# Altium PCB QTouch_test1.PcbDoc (part 2 of 2)
Units mm, origin at the board's own origin, x right, y up, seen from the top; angles counter-clockwise.
Board outline 145 x 145 mm, 2 copper layers (Top Layer, Bottom Layer), stack 1.635 mm thick; 121 components, 116 nets, 369 pads, 181 vias.
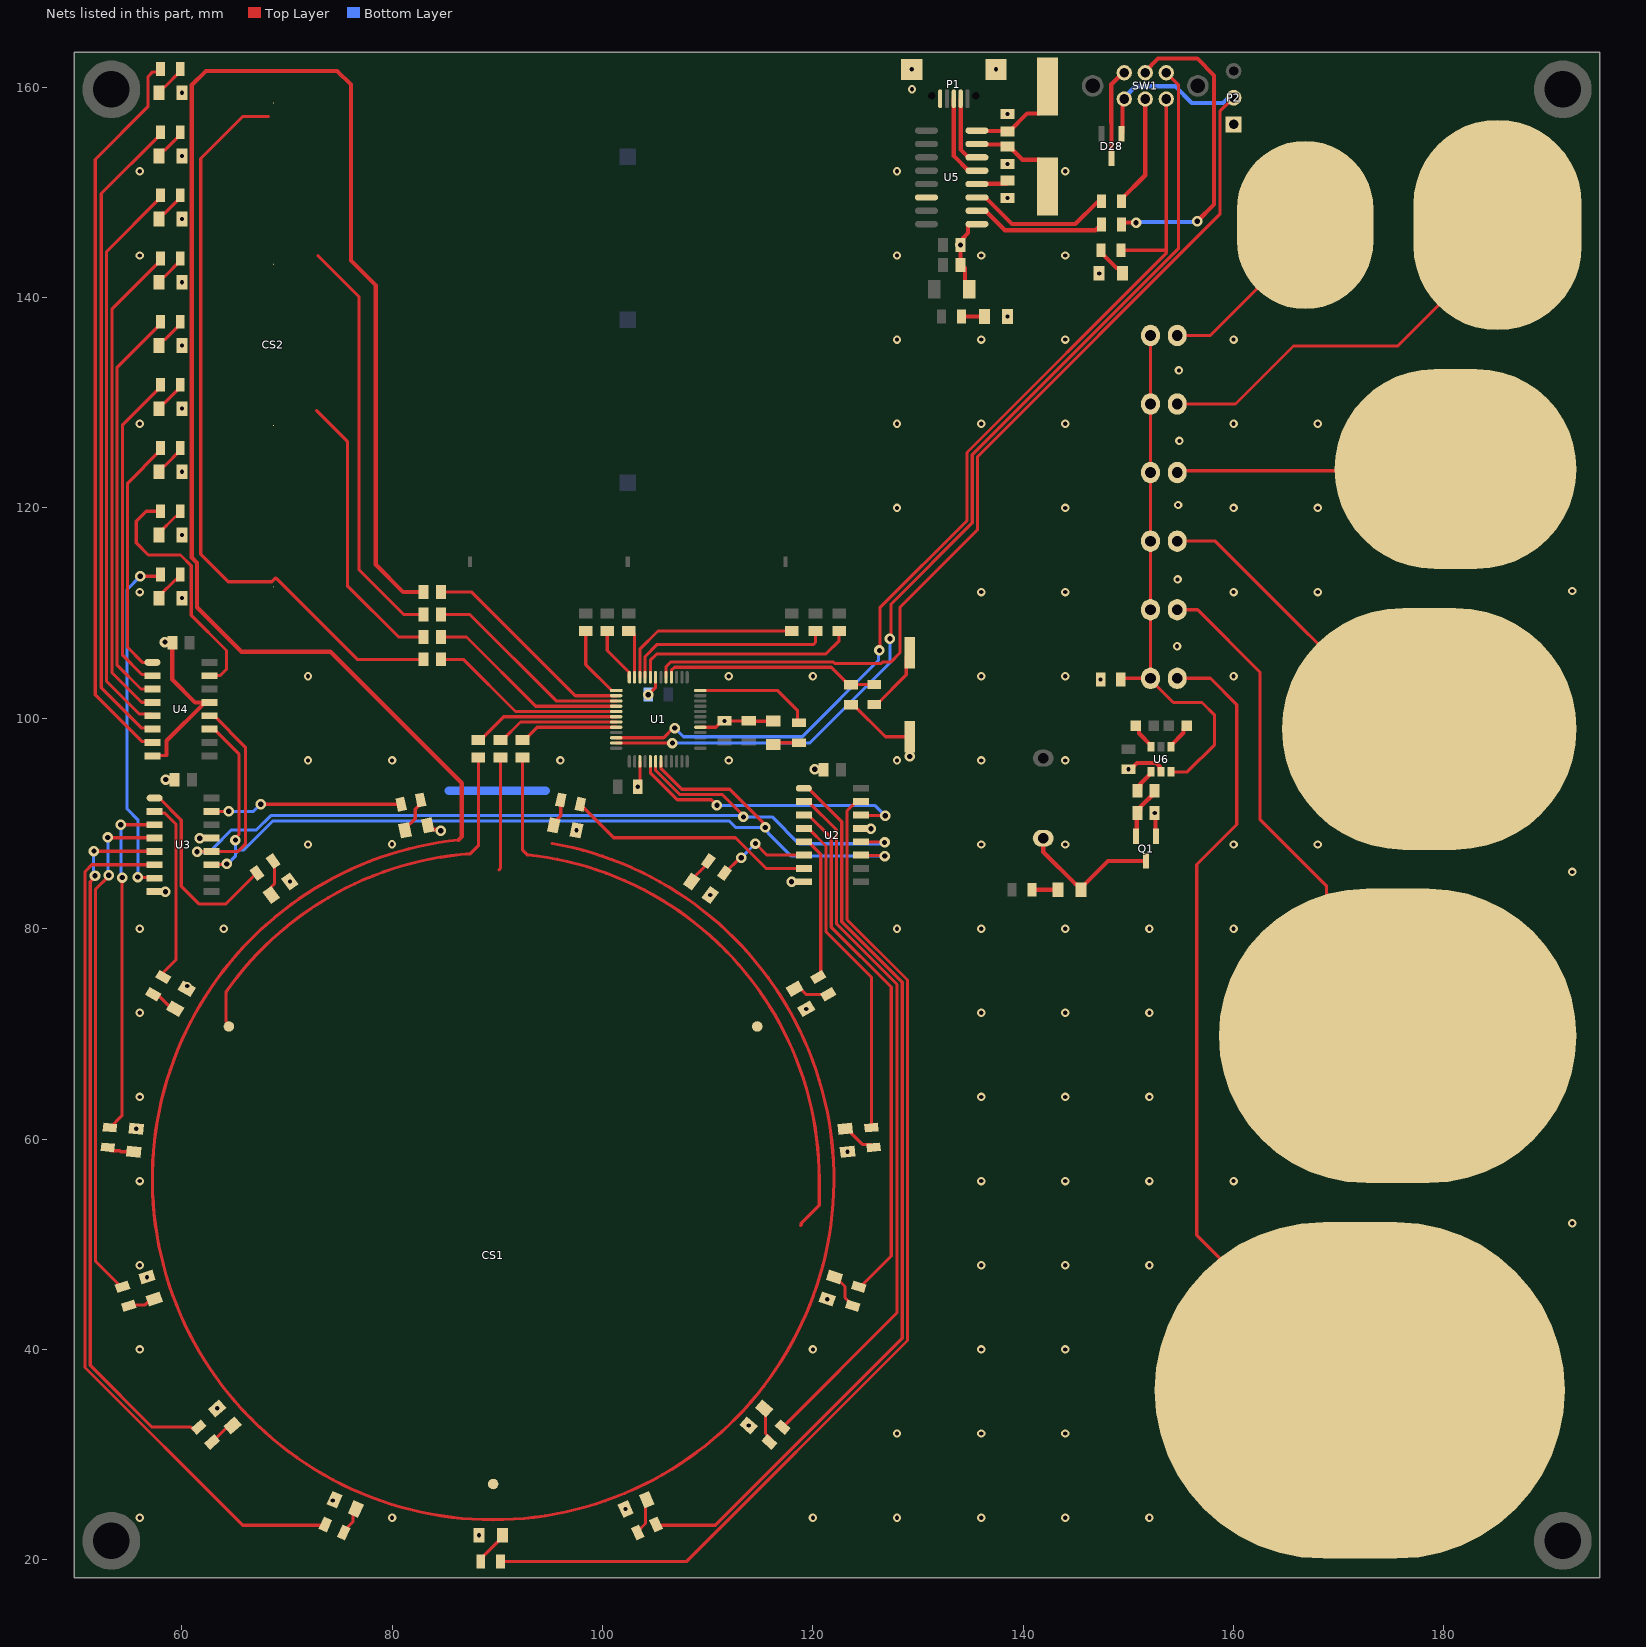
[diagram p2: the nets of this part, all layers, seen from the top]

## Via types
v1: diameter 0.8, hole 0.4, Top Layer to Bottom Layer, tented both sides, 127 vias
v2: diameter 1, hole 0.5, Top Layer to Bottom Layer, tented both sides, 54 vias

## Nets (pads, with @x,y where several pads share a name; then routed paths per layer and width w, separated by ;. In a path a pad name is that pad's centre, name@x,y a point inside that pad or via, vN(x,y) a via of type N, cw(c..) or ccw(c..) an arc to the next point about the centre after c; other vN are vias at no path point) (continued)
GND: C1.1 C2.1 C3.1 C4.1 C5.1 C6.1 C7.1 C8.1 C9.1 C10.1 C11.1 C12.1 C13.1 C14.1 C15.1 D1.2 D2.2 D3.2 D4.2 D5.2 D6.2 D7.2 D8.2 D9.2 D10.2 D11.2 D12.2 D13.2 D14.2 D15.2 D16.2 D17.2 D18.2 D19.2 D20.2 D21.2 D22.2 D23.2 D24.2 D25.1 D26.2 D27.2 D29.2 P1.5 P1.H@131.3,159.2 P2.1 PB1.1 Q1.3 R46.2 U1.15 U1.29 U1.43 U2.8 U2.13 U3.8 U3.13 U4.8 U4.13 U5.1 U6.2 | length 66.7
  Top Layer w0.3: U4.8@57.213,96.43 57.248,96.465 58.515,96.465 58.55,96.5 ; U3.8@57.413,83.53 57.428,83.515 58.435,83.515 v2(58.45,83.5) ; v2(58.4,107.25) 59.046,107.25 C4.1@59.1,107.196 ; v2(58.475,94.175) 59.294,94.175 C3.1@59.3,94.169 ; v2(61.7,88.607) 61.701,88.609 62.836,88.609 U3.13@62.837,88.61 ; v1(103.35,93.5) 103.55,93.7 U1.15@103.55,95.9 ; v2(104.35,102.25) 105.05,102.95 U1.43@105.05,103.9 ; U1.29@109.3,99.15 110.775,99.15 111.375,99.75 v1(111.6,99.75) C10.1@113.9,99.75 113.925,99.725 D29.2@116.225,99.725 ; v2(117.975,84.45) 117.978,84.453 119.136,84.453 U2.8@119.138,84.455 ; v2(120.175,95.15) 120.998,95.15 C5.1@121.025,95.123 ; C9.1@123.625,101.3 123.85,101.3 126.9,98.25 PB1.1@129.225,98.25 129.2,98.225 v2(129.2,96.375) ; U2.13@124.562,89.535 124.58,89.517 125.507,89.517 v2(125.525,89.5)
  Top Layer w0.4: 58.55,96.5 58.55,97.86 U4.13@62.2,101.51 ; C4.1@59.1,107.196 59.1,103.685 61.275,101.51 U4.13@62.2,101.51 ; U4.13@62.637,101.51 U4.13@62.2,101.51 ; D9.2@83.379,89.813 83.777,89.415 84.51,89.415 v2(84.625,89.3) ; v2(134.025,145) 134.025,143.225 134.45,142.8 134.45,141.2 D25.1@134.85,140.8 ; 134.3,145.68 134.762,146.142 134.762,146.888 134.854,146.98 U5.1@135.6,146.98 ; v1(150,95.15) 150.225,95.15 150.825,95.75 152.641,95.75 152.975,95.416 152.975,95.025 U6.2@153.1,94.9 ; v1(152.5,91) 152.562,90.937 152.562,88.837 Q1.3@152.625,88.775
  Bottom Layer w0.8: 85.366,93.1 94.607,93.1
  other v1: 88.272,22.327 56,24 80,24 120,24 128,24 136,24 144,24 152,24 102.196,24.819 74.35,25.625 128,32 136,32 144,32 113.903,32.759 63.369,34.394 56,40 120,40 136,40 144,40 121.368,44.774 56.696,46.867 56,48 136,48 144,48 152,48 192.2,52 56,56 136,56 144,56 152,56 160,56 123.301,58.787 55.673,60.975 56,64 136,64 144,64 152,64 56,72 136,72 144,72 152,72 119.367,72.374 60.525,74.55 56,80 64,80 128,80 136,80 144,80 152,80 160,80 110.247,83.187 70.277,84.48 192.2,85.4 72,88 136,88 144,88 160,88 168,88 79.991,88.031 97.517,89.355 72,96 80,96 96,96 112,96 128,96 136,96 144,96 147.35,103.7 72,104 112,104 120,104 136,104 144,104 160,104 154.625,106.85 60.022,111.423 56,112 136,112 144,112 160,112 168,112 192.2,112.1 154.675,113.2 60.022,117.429 128,120 144,120 160,120 168,120 154.725,120.275 60.022,123.435 154.85,126.375 56,128 128,128 136,128 144,128 160,128 168,128 60.022,129.441 154.8,133.075 60.022,135.447 128,136 136,136 144,136 160,136 138.5,138.193 60.022,141.453 147.225,142.3 56,144 128,144 136,144 144,144 60.022,147.459 138.5,149.475 56,152 128,152 144,152 138.5,152.7 60.022,153.465 138.5,157.45 60.022,159.471 129.425,159.8 129.4,161.7 137.4,161.7
LED1: R5.1 U1.36 | length 11.2
  Top Layer w0.3: U1.36@109.3,102.65 116.625,102.65 118.551,100.724 118.551,99.699 R5.1@118.675,99.575
LEDs_DATA: U1.17 U2.14 | length 27.4
  Top Layer w0.3: U1.17@104.55,95.9 104.55,94.829 107.123,92.255 110.345,92.255 v2(110.875,91.725) ; U2.14@124.562,90.805 124.602,90.765 126.835,90.765 v2(126.875,90.725)
  Bottom Layer w0.3: v2(110.875,91.725) 125.875,91.725 v2(126.875,90.725)
LEDs_RCLK: U1.18 U2.12 U3.12 U4.12 | length 100.2
  Top Layer w0.3: v2(61.45,87.3) 61.47,87.32 62.817,87.32 U3.12@62.837,87.34 64.397,87.34 64.407,87.35 65.368,87.35 66.05,88.031 66.05,97.265 63.075,100.24 U4.12@62.637,100.24 ; U1.18@105.05,95.9 105.05,95.036 107.33,92.755 111.388,92.755 113.4,90.744 v2(113.4,90.625) ; U2.12@124.562,88.265 124.595,88.232 126.786,88.232 v2(126.819,88.2)
  Bottom Layer w0.3: v2(61.45,87.3) 62.8,87.301 63.025,87.526 63.025,87.694 64.706,89.375 67.094,89.375 68.469,90.75 113.275,90.75 v2(113.4,90.625) 116.125,90.625 118.675,88.075 126.694,88.075 v2(126.819,88.2)
LEDs_SCLK: U1.19 U2.11 U3.11 U4.11 | length 96.2
  Top Layer w0.3: U4.11@62.637,98.97 63.075,98.97 65.425,96.62 65.425,88.939 65.1,88.614 v2(65.1,88.425) ; U3.11@62.837,86.07 62.877,86.11 64.235,86.11 v2(64.275,86.15) ; U1.19@105.55,95.9 105.55,95.243 107.538,93.255 112.113,93.255 115.237,90.131 115.237,90.052 115.475,89.814 v2(115.475,89.625) ; U2.11@124.562,86.995 124.61,86.947 126.78,86.947 v2(126.827,86.9)
  Bottom Layer w0.3: v2(64.275,86.15) 64.362,86.15 65.1,86.888 65.1,87.1 ; v2(65.1,88.425) 65.1,87.1 ; v2(126.827,86.9) 117.955,86.9 115.724,89.131 115.724,89.186 115.475,89.436 v2(115.475,89.625) 112.65,89.625 112.025,90.25 68.676,90.25 65.901,87.475 65.475,87.475 65.1,87.1
NetC7_2: C7.2 U5.7 Y1.1 | length 9.4
  Top Layer w0.4: U5.7@135.6,154.6 135.638,154.562 138.288,154.562 C7.2@138.5,154.35 138.675,154.35 139.925,153.1 141.5,153.1 142.3,152.3 Y1.1@142.3,150.55
NetC8_2: C8.2 U5.8 Y1.2 | length 9.5
  Top Layer w0.4: U5.8@135.6,155.87 135.635,155.835 138.465,155.835 C8.2@138.5,155.8 138.675,155.8 140.375,157.5 141.5,157.5 142.3,158.3 Y1.2@142.3,160.05
NetC15_2: C15.2 JP1.2 JP2.2 JP3.2 JP4.2 JP5.2 JP6.2 U6.3 | length 51.1
  Top Layer w0.3: C15.2@149.25,103.7 149.35,103.8 JP6.2@152.1,103.8 ; JP1.2@152.1,136.4 JP2.2@152.1,129.88 JP3.2@152.1,123.36 JP4.2@152.1,116.84 JP5.2@152.1,110.32 JP6.2@152.1,103.8 ; U6.3@154.05,94.9 155.6,94.9 158.2,97.5 158.2,100.3 157,101.5 154.273,101.5 152.1,103.673 JP6.2@152.1,103.8
NetD1_1: D1.1 R17.1 | length 3.3
  Top Layer w0.3: R17.1@88.422,19.827 88.697,20.102 88.697,20.377 90.472,22.152 D1.1@90.472,22.327
NetD2_1: D2.1 R19.1 | length 3.5
  Top Layer w0.3: R19.1@103.35,22.596 103.35,22.71 104.083,23.443 104.083,25.591 D2.1@104.206,25.714
NetD3_1: D3.1 R21.1 | length 3.4
  Top Layer w0.3: D3.1@115.375,34.394 115.492,34.277 115.492,32.003 115.861,31.634 R21.1@115.861,31.198
NetD4_1: D4.1 R23.1 | length 3.5
  Top Layer w0.3: D4.1@122.048,46.867 122.16,46.867 123.05,45.977 123.05,44.917 123.792,44.175 R23.1@123.792,44.144
NetD5_1: D5.1 R25.1 | length 3.4
  Top Layer w0.3: D5.1@123.071,60.975 123.227,60.975 124.711,59.49 125.479,59.49 R25.1@125.771,59.197
NetD6_1: D6.1 R27.1 | length 3.4
  Top Layer w0.3: D6.1@118.267,74.28 118.826,74.28 119.351,73.754 120.813,73.754 120.832,73.735 121.438,73.735 R27.1@121.457,73.754
NetD7_1: D7.1 R29.1 | length 2.6
  Top Layer w0.3: D7.1@108.467,84.48 108.467,84.646 110.058,86.237 R29.1@110.058,86.414
NetD8_1: D8.1 R31.1 | length 2.7
  Top Layer w0.3: D8.1@95.365,89.813 95.365,90.078 96.032,90.744 R31.1@96.032,92.227
NetD9_1: D9.1 R18.1 | length 3.5
  Top Layer w0.3: D9.1@81.227,89.355 81.227,89.49 82.2,90.463 82.2,91.359 82.713,91.871 R18.1@82.713,92.227
NetD10_1: D10.1 R20.1 | length 3.5
  Top Layer w0.3: D10.1@68.497,83.187 68.449,83.236 68.449,83.912 68.819,84.282 68.819,86.282 R20.1@68.686,86.414
NetD11_1: D11.1 R22.1 | length 2.7
  Top Layer w0.3: R22.1@57.287,73.754 57.651,73.754 59.031,72.374 D11.1@59.377,72.374
NetD12_1: D12.1 R24.1 | length 2.6
  Top Layer w0.3: R24.1@52.973,59.197 53.283,58.887 54.114,58.887 54.213,58.787 D12.1@55.443,58.787
NetD13_1: D13.1 R26.1 | length 2.7
  Top Layer w0.3: R26.1@54.952,44.144 55.022,44.214 56.467,44.214 57.027,44.774 D13.1@57.376,44.774
NetD14_1: D14.1 R28.1 | length 2.6
  Top Layer w0.3: R28.1@62.883,31.198 62.9,31.198 64.461,32.759 D14.1@64.841,32.759
NetD15_1: D15.1 R30.1 | length 2.7
  Top Layer w0.3: R30.1@75.394,22.596 75.394,22.71 76.273,23.589 76.273,24.544 D15.1@76.548,24.819
NetD16_1: D16.1 R32.1 | length 3.2
  Top Layer w0.3: D16.1@57.821,111.423 57.821,111.598 59.402,113.179 59.581,113.179 59.856,113.454 R32.1@59.856,113.679
NetD17_1: D17.1 R33.1 | length 3.2
  Top Layer w0.3: D17.1@57.821,117.429 57.821,117.604 59.402,119.185 59.581,119.185 59.856,119.46 R33.1@59.856,119.685
NetD18_1: D18.1 R34.1 | length 3.2
  Top Layer w0.3: D18.1@57.821,123.435 57.821,123.61 58.197,123.985 58.376,123.985 59.856,125.466 R34.1@59.856,125.691
NetD19_1: D19.1 R35.1 | length 3.2
  Top Layer w0.3: D19.1@57.821,129.441 57.821,129.616 58.197,129.991 58.376,129.991 59.856,131.472 R35.1@59.856,131.697
NetD20_1: D20.1 R36.1 | length 3.2
  Top Layer w0.3: D20.1@57.821,135.447 57.821,135.622 58.197,135.997 58.376,135.997 59.856,137.478 R36.1@59.856,137.703
NetD21_1: D21.1 R37.1 | length 3.2
  Top Layer w0.3: D21.1@57.821,141.453 57.821,141.628 58.197,142.003 58.376,142.003 59.856,143.484 R37.1@59.856,143.709
NetD22_1: D22.1 R38.1 | length 3.2
  Top Layer w0.3: D22.1@57.821,147.459 57.821,147.634 58.197,148.009 58.376,148.009 59.856,149.49 R38.1@59.856,149.715
NetD23_1: D23.1 R39.1 | length 3.2
  Top Layer w0.3: D23.1@57.821,153.465 57.821,153.64 58.197,154.015 58.376,154.015 59.856,155.496 R39.1@59.856,155.721
NetD24_1: D24.1 R40.1 | length 3.2
  Top Layer w0.3: D24.1@57.821,159.471 57.821,159.646 58.197,160.021 58.376,160.021 59.856,161.502 R40.1@59.856,161.727
NetD26_1: D26.1 R1.2 | length 2.2
  Top Layer w0.4: R1.2@134.15,138.2 136.293,138.2 D26.1@136.3,138.193
NetD27_1: D27.1 R2.2 | length 3.2
  Top Layer w0.4: R2.2@147.4,144.5 147.4,144.275 148.875,142.8 149.1,142.8 149.425,142.475 D27.1@149.425,142.3
NetD28_3: D28.3 SW1.4 | length 8.8
  Top Layer w0.4: D28.3@148.4,153.225 148.4,156.617 148.376,156.64 148.376,160.276 SW1.4@149.6,161.5
NetD29_1: D29.1 R5.2 | length 2.5
  Top Layer w0.3: D29.1@116.225,97.525 116.375,97.675 R5.2@118.675,97.675
NetD30_1: D30.1 R44.2 | length 2.5
  Top Layer w0.4: R44.2@140.85,83.707 143.293,83.707 D30.1@143.3,83.7
NetD30_2: D30.2 Q1.1 SP1.2 | length 13.7
  Top Layer w0.4: SP1.2@141.9,88.59 141.9,87.3 145,84.2 145.175,84.2 D30.2@145.5,83.875 ; D30.2@145.5,83.7 D30.2@145.5,83.875 ; Q1.1@151.675,86.425 148.05,86.425 D30.2@145.5,83.875
NetJP1_1: JP1.1 PAD1.1 | length 17.4
  Top Layer w0.3: JP1.1@154.64,136.4 157.8,136.4 166.8,145.4 PAD1.1@166.8,146.9
NetJP2_1: JP2.1 PAD2.1 | length 38.7
  Top Layer w0.3: JP2.1@154.64,129.88 160.18,129.88 165.7,135.4 175.6,135.4 185.1,144.9 PAD2.1@185.1,146.9
NetJP3_1: JP3.1 PAD3.1 | length 26.6
  Top Layer w0.3: JP3.1@154.64,123.36 154.81,123.53 180.93,123.53 PAD3.1@181.1,123.7
NetJP4_1: JP4.1 PAD4.1 | length 31.3
  Top Layer w0.3: JP4.1@154.64,116.84 158.26,116.84 176.1,99 PAD4.1@178.6,99
NetJP5_1: JP5.1 PAD5.1 | length 50.3
  Top Layer w0.3: JP5.1@154.64,110.32 156.58,110.32 162.5,104.4 162.5,90.4 168.826,84.074 168.826,76.574 PAD5.1@175.6,69.8
NetJP6_1: JP6.1 PAD6.1 | length 80.3
  Top Layer w0.3: JP6.1@154.64,103.8 157.8,103.8 160.3,101.3 160.3,89.9 156.5,86.1 156.5,50.864 171.264,36.1 PAD6.1@172,36.1
NetPB1_2: PB1.2 R3.2 | length 6.5
  Top Layer w0.3: R3.2@125.825,101.3 126.05,101.3 128.875,104.125 128.875,105.9 PB1.2@129.225,106.25
NetQ1_2: Q1.2 R45.2 R46.1 | length 5.1
  Top Layer w0.4: Q1.2@150.725,88.775 150.787,88.837 150.787,90.937 R46.1@150.85,91 151.125,91.275 151.125,91.55 152.5,92.925 R45.2@152.5,93.1
NetR4_1: R4.1 SW1.2 | length 10.8
  Top Layer w0.4: R4.1@149.35,149.15 149.35,149.375 151.6,151.625 SW1.2@151.6,159
NetR6_1: R6.1 SW1.5 | length 29.6
  Top Layer w0.4: R6.1@149.35,146.95 149.525,147.125 v2(150.725,147.125) ; SW1.5@151.6,161.5 152.823,162.723 156.552,162.723 158.15,161.125 158.15,148.85 v2(156.55,147.25)
  Bottom Layer w0.4: v2(150.725,147.125) 150.787,147.187 156.487,147.187 v2(156.55,147.25)
NetR7_2: R7.2 U1.7 | length 11.7
  Top Layer w0.3: R7.2@90.3,97.925 90.475,97.925 92.2,99.65 U1.7@101.3,99.65
NetR8_2: R8.2 U1.5 | length 18.7
  Top Layer w0.3: R8.2@84.625,105.6 86.775,105.6 91.725,100.65 U1.5@101.3,100.65
NetR9_2: R9.2 U1.6 | length 14
  Top Layer w0.3: R9.2@88.2,97.925 88.375,97.925 90.6,100.15 U1.6@101.3,100.15
NetR10_2: R10.2 U1.3 | length 20.1
  Top Layer w0.3: R10.2@84.625,109.867 87.383,109.867 95.6,101.65 U1.3@101.3,101.65
NetR11_2: R11.2 U1.8 | length 9.4
  Top Layer w0.3: R11.2@92.4,97.925 92.575,97.925 93.8,99.15 U1.8@101.3,99.15
NetR12_2: R12.2 U1.4 | length 19.4
  Top Layer w0.3: R12.2@84.625,107.733 87.067,107.733 93.65,101.15 U1.4@101.3,101.15
NetR13_2: R13.2 U1.46 | length 17.8
  Top Layer w0.3: U1.46@103.55,103.9 103.55,106.575 105.275,108.3 R13.2@118,108.3
NetR14_2: R14.2 U1.45 | length 19.8
  Top Layer w0.3: U1.45@104.05,103.9 104.05,105.875 105.2,107.025 120.074,107.025 120.25,107.201 R14.2@120.25,108.3
NetR15_2: R15.2 U1.44 | length 21.3
  Top Layer w0.3: U1.44@104.55,103.9 104.55,105.501 105.156,106.108 121.233,106.108 122.5,107.375 R15.2@122.5,108.3
NetR16_2: R16.2 U1.1 | length 7.1
  Top Layer w0.3: R16.2@98.4,108.3 98.4,105.1 100.85,102.65 U1.1@101.3,102.65
NetR17_2: R17.2 U2.15 | length 101.8
  Top Layer w0.3: R17.2@90.322,19.827 107.977,19.827 129,40.85 129,75.114 123.25,80.864 123.25,91.2 124.125,92.075 U2.15@124.562,92.075
NetR18_2: R18.2 U3.15 | length 18.3
  Top Layer w0.3: U3.15@62.837,91.15 v2(64.475,91.15) ; v2(67.5,91.832) R18.2@80.854,91.832
  Bottom Layer w0.3: v2(64.475,91.15) 66.818,91.15 v2(67.5,91.832)
NetR19_2: R19.2 U2.1 | length 87.2
  Top Layer w0.3: R19.2@105.086,23.369 105.177,23.277 110.72,23.277 128.5,41.057 128.5,74.907 122.75,80.657 122.75,90.171 119.576,93.345 U2.1@119.138,93.345
NetR20_2: R20.2 U3.1 | length 18.8
  Top Layer w0.3: U3.1@57.413,92.42 57.85,92.42 59.95,90.32 59.95,84.025 61.625,82.35 64.202,82.35 R20.2@67.149,85.298
NetR21_2: R21.2 U2.2 | length 67.9
  Top Layer w0.3: R21.2@117.133,32.61 128,43.477 128,74.7 122.25,80.45 122.25,89.4 119.576,92.075 U2.2@119.138,92.075
NetR22_2: R22.2 U3.2 | length 17.6
  Top Layer w0.3: U3.2@57.413,91.15 57.569,90.994 58.381,90.994 59.45,89.925 59.45,77.043 58.237,75.83 R22.2@58.237,75.4
NetR23_2: R23.2 U2.3 | length 49.9
  Top Layer w0.3: U2.3@119.138,90.805 119.576,90.805 121.75,88.63 121.75,80.15 127.45,74.45 127.45,48.878 124.524,45.951 R23.2@124.379,45.951
NetR24_2: R24.2 U3.3 | length 32.5
  Top Layer w0.3: R24.2@53.171,61.087 54.332,62.248 v2(54.332,84.856) ; v2(54.2,89.875) 54.203,89.877 57.41,89.877 U3.3@57.413,89.88
  Bottom Layer w0.3: v2(54.2,89.875) 54.231,89.844 54.231,84.957 v2(54.332,84.856)
NetR25_2: R25.2 U2.4 | length 31.4
  Top Layer w0.3: U2.4@119.138,89.535 119.576,89.535 121.25,87.86 121.25,79.7 125.573,75.377 R25.2@125.573,61.087
NetR26_2: R26.2 U3.4 | length 48.9
  Top Layer w0.3: v2(52.95,88.675) 52.983,88.642 57.38,88.642 U3.4@57.413,88.61 ; v2(53.05,85.07) 53.05,84.988 51.8,83.738 51.8,48.372 54.22,45.951 R26.2@54.365,45.951
  Bottom Layer w0.3: v2(52.95,88.675) 53,88.625 53,85.12 v2(53.05,85.07)
NetR27_2: R27.2 U2.5 | length 13.9
  Top Layer w0.3: U2.5@119.138,88.265 119.576,88.265 120.75,87.09 120.75,75.643 R27.2@120.507,75.4
NetR28_2: R28.2 U3.5 | length 67.8
  Top Layer w0.3: v2(51.65,87.375) 51.668,87.357 57.395,87.357 U3.5@57.413,87.34 ; v2(51.75,85.031) 51.75,84.911 51.3,84.461 51.3,38.482 57.172,32.61 60.874,32.61 61.025,32.459 61.461,32.459 R28.2@61.612,32.61
  Bottom Layer w0.3: v2(51.65,87.375) 51.616,87.341 51.616,85.165 v2(51.75,85.031)
NetR29_2: R29.2 U2.6 | length 9.2
  Top Layer w0.3: R29.2@111.595,85.298 111.646,85.298 113.099,86.75 v2(113.2,86.75) ; v2(114.544,88.094) 115.642,86.995 U2.6@119.138,86.995
  Bottom Layer w0.3: v2(113.2,86.75) v2(114.544,88.094)
NetR30_2: R30.2 U3.6 | length 83.1
  Top Layer w0.3: U3.6@57.413,86.07 51.445,86.07 50.8,85.425 50.8,38.275 65.798,23.277 73.567,23.277 R30.2@73.658,23.369
NetR31_2: R31.2 U2.7 | length 23.8
  Top Layer w0.3: R31.2@97.89,91.832 101.072,88.65 112.644,88.65 115.569,85.725 U2.7@119.138,85.725
NetR32_2: R32.2 U3.7 | length 33.2
  Top Layer w0.3: v2(55.825,84.9) 55.875,84.85 57.363,84.85 U3.7@57.413,84.8 ; v2(56.05,113.5) 57.778,113.5 R32.2@57.957,113.679
  Bottom Layer w0.3: v2(55.825,84.9) 55.825,90.35 54.8,91.375 54.8,112.25 v2(56.05,113.5)
NetR33_2: R33.2 U4.15 | length 24
  Top Layer w0.3: R33.2@57.957,119.685 56.615,119.685 55.675,118.745 55.675,116.675 56.825,115.525 59.875,115.525 60.896,114.503 60.896,109.803 64.25,106.45 64.25,104.65 63.674,104.074 62.661,104.074 U4.15@62.637,104.05
NetR34_2: R34.2 U4.1 | length 23.2
  Top Layer w0.3: U4.1@57.213,105.32 56.255,105.32 54.85,106.725 54.85,122.359 57.957,125.466 R34.2@57.957,125.691
NetR35_2: R35.2 U4.2 | length 30.8
  Top Layer w0.3: U4.2@57.213,104.05 57.095,104.168 56.207,104.168 54.35,106.025 54.35,127.865 57.957,131.472 R35.2@57.957,131.697
NetR36_2: R36.2 U4.3 | length 38.7
  Top Layer w0.3: U4.3@57.213,102.78 56.12,102.78 53.85,105.05 53.85,133.371 57.957,137.478 R36.2@57.957,137.703
NetR37_2: R37.2 U4.4 | length 46.3
  Top Layer w0.3: U4.4@57.213,101.51 57.199,101.524 56.176,101.524 53.35,104.35 53.35,138.877 57.957,143.484 R37.2@57.957,143.709
NetR38_2: R38.2 U4.5 | length 54
  Top Layer w0.3: U4.5@57.213,100.24 57.038,100.415 55.935,100.415 52.85,103.5 52.85,144.383 57.957,149.49 R38.2@57.957,149.715
NetR39_2: R39.2 U4.6 | length 61.6
  Top Layer w0.3: U4.6@57.213,98.97 57.118,99.065 56.185,99.065 52.35,102.9 52.35,149.889 57.957,155.496 R39.2@57.957,155.721
NetR40_2: R40.2 U4.7 | length 69.6
  Top Layer w0.3: U4.7@57.213,97.7 57.108,97.805 56.195,97.805 51.775,102.225 51.775,153.125 56.775,158.125 56.775,160.975 57.257,161.457 57.687,161.457 R40.2@57.957,161.727
NetR41_2: R41.2 U1.48 | length 5.3
  Top Layer w0.3: R41.2@100.45,108.3 100.45,106.45 102.55,104.35 U1.48@102.55,103.9
NetR42_2: R42.2 U1.47 | length 4.7
  Top Layer w0.3: R42.2@102.5,108.3 102.675,108.3 103.05,107.925 U1.47@103.05,103.9
NetR43_1: R43.1 U1.2 | length 20.8
  Top Layer w0.3: R43.1@84.625,112 87.575,112 97.425,102.15 U1.2@101.3,102.15
NetU6_4: U6.4 W2.1 | length 2.6
  Top Layer w0.4: U6.4@154.05,97.3 154.05,97.425 155.25,98.625 155.25,99 W2.1@155.55,99.3
NetU6_6: U6.6 W1.2 | length 2.6
  Top Layer w0.4: W1.2@150.7,99.3 151,99 151,98.575 152.15,97.425 U6.6@152.15,97.3
RST: C9.2 R3.1 U1.40 | length 20.7
  Top Layer w0.3: U1.40@106.55,103.9 106.55,104.557 106.843,104.85 121.75,104.85 123.4,103.2 C9.2@123.625,103.2 R3.1@125.825,103.2
RTS: U5.14
RXD: R4.2 U5.3 | length 13.8
  Top Layer w0.4: U5.3@135.6,149.52 136.4,149.52 138.92,147 144.95,147 147,149.05 147.225,149.05 R4.2@147.45,149.275
RXD1: SW1.6 U1.11 | length 97.2
  Top Layer w0.3: U1.11@101.3,97.65 106.4,97.65 v2(106.65,97.65) ; v2(127.325,107.55) 127.425,107.65 127.425,110.849 135.15,118.574 135.15,125.068 154.774,144.691 154.774,160.202 SW1.6@153.6,161.375
  Bottom Layer w0.3: v2(106.65,97.65) 119.719,97.65 127.325,105.256 v2(127.325,107.55)
S_P1: CS2.1 R8.1 | length 71.3
  Top Layer w0.3: 68.233,157.2 65.775,157.2 61.8,153.225 61.8,115.6 64.425,112.975 68.55,112.975 68.925,113.35 76.675,105.6 R8.1@82.975,105.6
S_P2: CS2.2 R10.1 | length 39.4
  Top Layer w0.3: 72.95,143.975 76.85,140.075 76.85,114.125 81.108,109.867 R10.1@82.975,109.867
S_P3: CS2.3 R12.1 | length 27.1
  Top Layer w0.3: 72.825,129.25 75.75,126.325 75.75,112.6 80.617,107.733 R12.1@82.975,107.733
SHIELD: R43.2 | length 350.6
  Top Layer w0.3: 86.307,88.432 ccw(c89.601,56.199) 66.689,79.11 ccw(c89.6,56.2) 95.226,88.108
  Top Layer w0.4: R43.2@82.975,112 81.05,112 78.45,114.6 78.45,141.15 76.075,143.525 76.075,160.25 74.775,161.55 62.3,161.55 60.946,160.196 60.946,115.279 61.446,114.779 61.446,110.554 65.675,106.325 74.125,106.325 86.625,93.825 86.625,88.75 86.307,88.432
Touch_out: R45.1 U6.1 | length 2.3
  Top Layer w0.4: R45.1@150.85,93.1 151.125,93.375 151.125,93.75 152.15,94.775 U6.1@152.15,94.9
TXD: R6.2 U5.2 | length 13.1
  Top Layer w0.4: U5.2@135.6,148.25 136.4,148.25 138.25,146.4 146.875,146.4 R6.2@147.45,146.975 ; R6.2@147.45,146.95 R6.2@147.45,147.175
TXD1: R2.1 SW1.1 U1.10 | length 97.7
  Top Layer w0.3: U1.10@101.3,98.15 105.806,98.15 106.731,99.075 v2(106.875,99.075) ; v2(126.325,106.45) 126.375,106.5 126.375,110.506 134.65,118.781 134.65,125.275 153.6,144.225 153.6,144.425 ; R2.1@149.3,144.5 153.525,144.5 153.6,144.425 ; SW1.1@153.6,158.875 153.6,144.425
  Bottom Layer w0.3: v2(106.875,99.075) 107.7,98.25 118.975,98.25 126.225,105.5 126.225,106.35 v2(126.325,106.45)
UPDI: D28.1 P2.2 SW1.3 U1.41 | length 105.1
  Top Layer w0.3: U1.41@106.05,103.9 106.05,104.924 106.476,105.35 121.957,105.35 122.082,105.225 126.506,105.225 126.619,105.338 127.406,105.338 128.275,106.206 128.275,110.536 135.65,117.911 135.65,124.861 158.7,147.911 158.7,157.7 P2.2@160,159
  Top Layer w0.4: D28.1@149.35,155.575 149.45,155.675 149.45,158.85 SW1.3@149.6,159
  Bottom Layer w0.4: SW1.3@149.6,159 150.698,160.099 154.427,160.099 156.025,158.5 159.001,158.5 159.29,158.79 159.79,158.79 P2.2@160,159
USB_D+: P1.3 U5.5 | length 8.2
  Top Layer w0.4: P1.3@133.4,158.9 133.4,153.46 134.8,152.06 U5.5@135.6,152.06
USB_D-: P1.2 U5.6 | length 6.7
  Top Layer w0.4: P1.2@134.05,158.9 134.05,154.08 134.8,153.33 U5.6@135.6,153.33
V3_ch340: C6.2 U5.4 | length 2.9
  Top Layer w0.4: U5.4@135.6,150.79 135.638,150.828 138.428,150.828 C6.2@138.5,150.9
W_P1: CS1.3 R11.1 | length 60
  Top Layer w0.3: R11.1@92.4,96.275 92.4,87.471 92.84,87.03 cw(c89.6,56.2) 120.6,56.2 120.6,53.7 118.9,52 118.9,51.825 118.85,51.775
W_P2: CS1.1 R7.1 | length 10.7
  Top Layer w0.3: 90.175,85.6 90.3,85.725 R7.1@90.3,96.275
W_P3: CS1.2 R9.1 | length 40.5
  Top Layer w0.3: CS1.2@64.485,70.7 64.485,70.889 64.206,71.168 64.206,73.981 cw(c89.6,56.2) 87.438,87.124 88.2,87.887 R9.1@88.2,96.275
pads on no net: D28.2 P1.4 SW1.MH1 SW1.MH2 U1.9 U1.12 U1.13 U1.16 U1.20 U1.21 U1.22 U1.23 U1.24 U1.25 U1.26 U1.27 U1.30 U1.31 U1.32 U1.33 U1.34 U1.35 U1.37 U1.38 U1.39 U5.9 U5.10 U5.11 U5.12 U5.15

## Polygon pours and split planes (outlines as drawn)
GND on Top Layer "GND_L01_P000" (solid, remove dead copper, pour order 0): 49.55,163.225 134.025,163.225 194.575,163.225 194.575,18.225 49.499,18.225
GND on Bottom Layer "GND_L02_P001" (solid, remove dead copper, pour order 1): 49.55,163.225 134.025,163.225 194.575,163.225 194.575,18.225 49.499,18.225

## Keep-outs
Keep-Out Layer:
  the board outline again, w0.254

## Other copper
Top Layer:
  rectangle net GND: 128.4,158.05 132.25,162.725
  pour cut-out: 122.471,56.136 ccw(c89.671,56.136) 89.671,88.936 ccw(c89.671,56.136) 56.871,56.136 ccw(c89.671,56.136) 89.671,23.336 ccw(c89.671,56.136)
  pour cut-out: 173.05,147.7 176.3,147.7 176.3,146.425 173.05,146.425
  pour cut-out: 192.575,100.325 195.825,100.325 195.825,99.05 192.575,99.05
  pour cut-out: 180.3,114.025 180.3,110.775 179.025,110.775 179.025,114.025
  pour cut-out: 173.563,55.65 173.563,52.4 172.287,52.4 172.287,55.65
  pour cut-out: 86.75,105.825 72.8,105.825 72.725,105.75 85.4,93.075 85.4,88.4 85.375,88.375 85.525,88.225 86.775,88.225
  pour cut-out: 86.95,23.7 86.95,18.475 86.9,18.525 85.6,18.525 85.6,23.85 85.5,23.95
  pour cut-out: 90.675,88.701 86.75,88.701 86.75,105.825 105.45,105.825 102.2,102.944 102.2,98.575 93.8,98.575 93.8,88.701
  pour cut-out: 127.475,162.975 127.475,113.675 123.7,109.9 123.7,105.6 65.425,105.6 60.625,110.4 60.625,162.975
  region net +5: 136.3,159.2 136.3,156.6 134.5,156.6 134.5,159.2
Bottom Layer:
  pour cut-out: 122.471,56.136 ccw(c89.671,56.136) 89.671,88.936 ccw(c89.671,56.136) 56.871,56.136 ccw(c89.671,56.136) 89.671,23.336 ccw(c89.671,56.136)
  pour cut-out: 173.563,55.65 173.563,52.4 172.287,52.4 172.287,55.65
  pour cut-out: 86.95,23.7 86.95,18.475 86.9,18.525 85.6,18.525 85.6,23.85 85.5,23.95
  pour cut-out: 90.675,88.701 86.75,88.701 86.75,105.825 105.45,105.825 102.2,102.944 102.2,98.575 93.8,98.575 93.8,88.701
  pour cut-out: 127.475,162.975 127.475,113.65 124.45,110.625 124.45,108.7 121.35,105.6 65.425,105.6 60.625,110.4 60.625,162.975
  pour cut-out: 195.85,99.025 192.6,99.025 192.6,100.3 195.85,100.3
  pour cut-out: 173.025,147.725 176.275,147.725 176.275,146.45 173.025,146.45
  pour cut-out: 180.325,114.025 180.325,110.775 179.05,110.775 179.05,114.025

## Silkscreen, mask and mechanical layers (free items; w line width, h text height)
Top Overlay:
  circle w0.3: c89.6,56.2 r15
  circle w0.3: c89.547,56.114 r30
  text "SMW_V0.9" at 174.4,160.786 h3
Mechanical 4:
  circle w0.2: c191.3,21.8 r1.75
  circle w0.2: c53.3,21.8 r1.75
  circle w0.2: c53.3,159.8 r1.75
  circle w0.2: c191.3,159.8 r1.75
  circle w0.2: c109.85,84.675 r3
  circle w0.2: c119.725,73.75 r3
  circle w0.2: c122.75,45.5 r3
  circle w0.2: c124.225,60.025 r3
  circle w0.2: c115.55,32.9 r3
  circle w0.2: c103.6,24.225 r3
  circle w0.2: c89.375,21.45 r3
  circle w0.2: c75.075,24.125 r3
  circle w0.2: c63.425,32.7 r3
  circle w0.2: c55.925,45.475 r3
  circle w0.2: c54.5,60 r3
  circle w0.2: c58.925,73.8 r3
  circle w0.2: c68.7,84.775 r3
  circle w0.2: c82.125,90.675 r3
  circle w0.2: c96.525,90.65 r3
  lines w0.2: 127.7,163.275 127.7,136.45 139.975,136.45 139.975,140.85 150.825,140.85 150.825,154.475 161.675,154.475 161.675,163.275 ; 149.85,104.914 ccw(c148.3,103.65) 149.857,102.395 ; 49.8,18.3 194.8,18.3 194.8,163.3 49.8,163.3 49.8,18.3 ; 55.6,82.375 55.6,157.025 56.725,157.025 56.725,162.475 61.25,162.475 61.25,108.375 64.325,108.375 64.325,82.375 55.6,82.375 ; 80.725,104.325 80.725,113.45 131.625,113.45 131.625,94.875 127.125,94.875 127.125,82.075 116.65,82.075 116.65,92.4 100.425,92.4 100.425,95.275 86.675,95.275 86.675,104.325 80.725,104.325 ; 135.25,82.225 157.65,82.225 157.65,138.55 149.85,138.55 149.85,99.15 135.25,99.15 135.25,82.225
Mechanical 5:
  circle w0.5: c89.6,56.2 r15
  circle w0.5: c89.547,56.114 r30
  lines w0.5: 62.675,151 74.55,151 ; 62.7,135.513 74.575,135.513 ; 62.75,120.275 74.625,120.275 ; 79.975,145.65 125.05,145.65 ; 80.05,130.425 80.05,130.15 124.725,130.15 124.925,130.35 ; 94.875,114.95 94.875,160.975 95,160.975 ; 109.85,160.975 109.975,160.85 109.975,114.95 ; 62.7,110.55 62.7,160.475 62.725,160.475 74.675,160.475 74.675,110.55 62.7,110.55 ; 80,114.8 80,160.975 125,160.975 125,114.8 80,114.8 ; 160.3,145.5 ccw(c166.8,145.5) 173.3,145.5 173.3,148.325 ccw(c166.8,148.325) 160.3,148.325 160.3,145.5 ; 168.5,20.075 cw(c168.5,36.075) 168.5,52.075 175.55,52.075 cw(c175.55,36.075) 175.55,20.075 168.5,20.075 ; 172.625,55.75 cw(c172.625,69.75) 172.625,83.75 178.6,83.75 cw(c178.6,69.75) 178.6,55.75 172.625,55.75 ; 176.175,87.5 cw(c176.175,99) 176.175,110.5 181,110.5 cw(c181,99) 181,87.5 176.175,87.5 ; 177.075,144.875 ccw(c185.075,144.875) 193.075,144.875 193.075,148.875 ccw(c185.075,148.875) 177.075,148.875 177.075,144.875 ; 179.075,114.2 cw(c179.075,123.7) 179.075,133.2 183.075,133.2 cw(c183.075,123.7) 183.075,114.2 179.075,114.2
  text "PAD1" at 162.369,146.625 h4
  text "PAD2" at 180.619,146.45 h4
  text "PAD1" at 140.494,135.65 h4
  text "PAD2" at 140.275,129.163 h4
  text "PAD3" at 176.634,123.225 h4
  text "PAD3" at 140.275,122.646 h4
  text "PAD4" at 140.258,116.159 h4
  text "PAD5" at 140.275,109.642 h4
  text "PAD6" at 136.55,103.125 h4
  text "PAD4" at 174.104,98.55 h4
  text "PAD5" at 171.099,69.425 h4
  text "PAD6" at 167.486,35.6 h4
Mechanical 15:
  lines w0.2: 127.7,163.275 161.675,163.275 ; 146.4,136.45 146.4,139.125

## Text inside footprints (layer, text, board x,y; h text height)
P1: Mechanical 1 "PCB EDGE" at 130.987,163.448 h0.7
PAD1: Top Overlay "13x16" at 167.525,143.85 h3 r90
PAD2: Top Overlay "16x20" at 185.825,143.85 h3 r90
PAD3: Top Overlay "19x23" at 178.075,123.075 h3
PAD4: Top Overlay "23x28" at 175.35,98.325 h3
PAD5: Top Overlay "28x34" at 172.35,69.125 h3
PAD6: Top Overlay "32x39" at 168.75,35.425 h3